# Altium PCB PROC106B.PcbDoc (part 3 of 8) (continued)
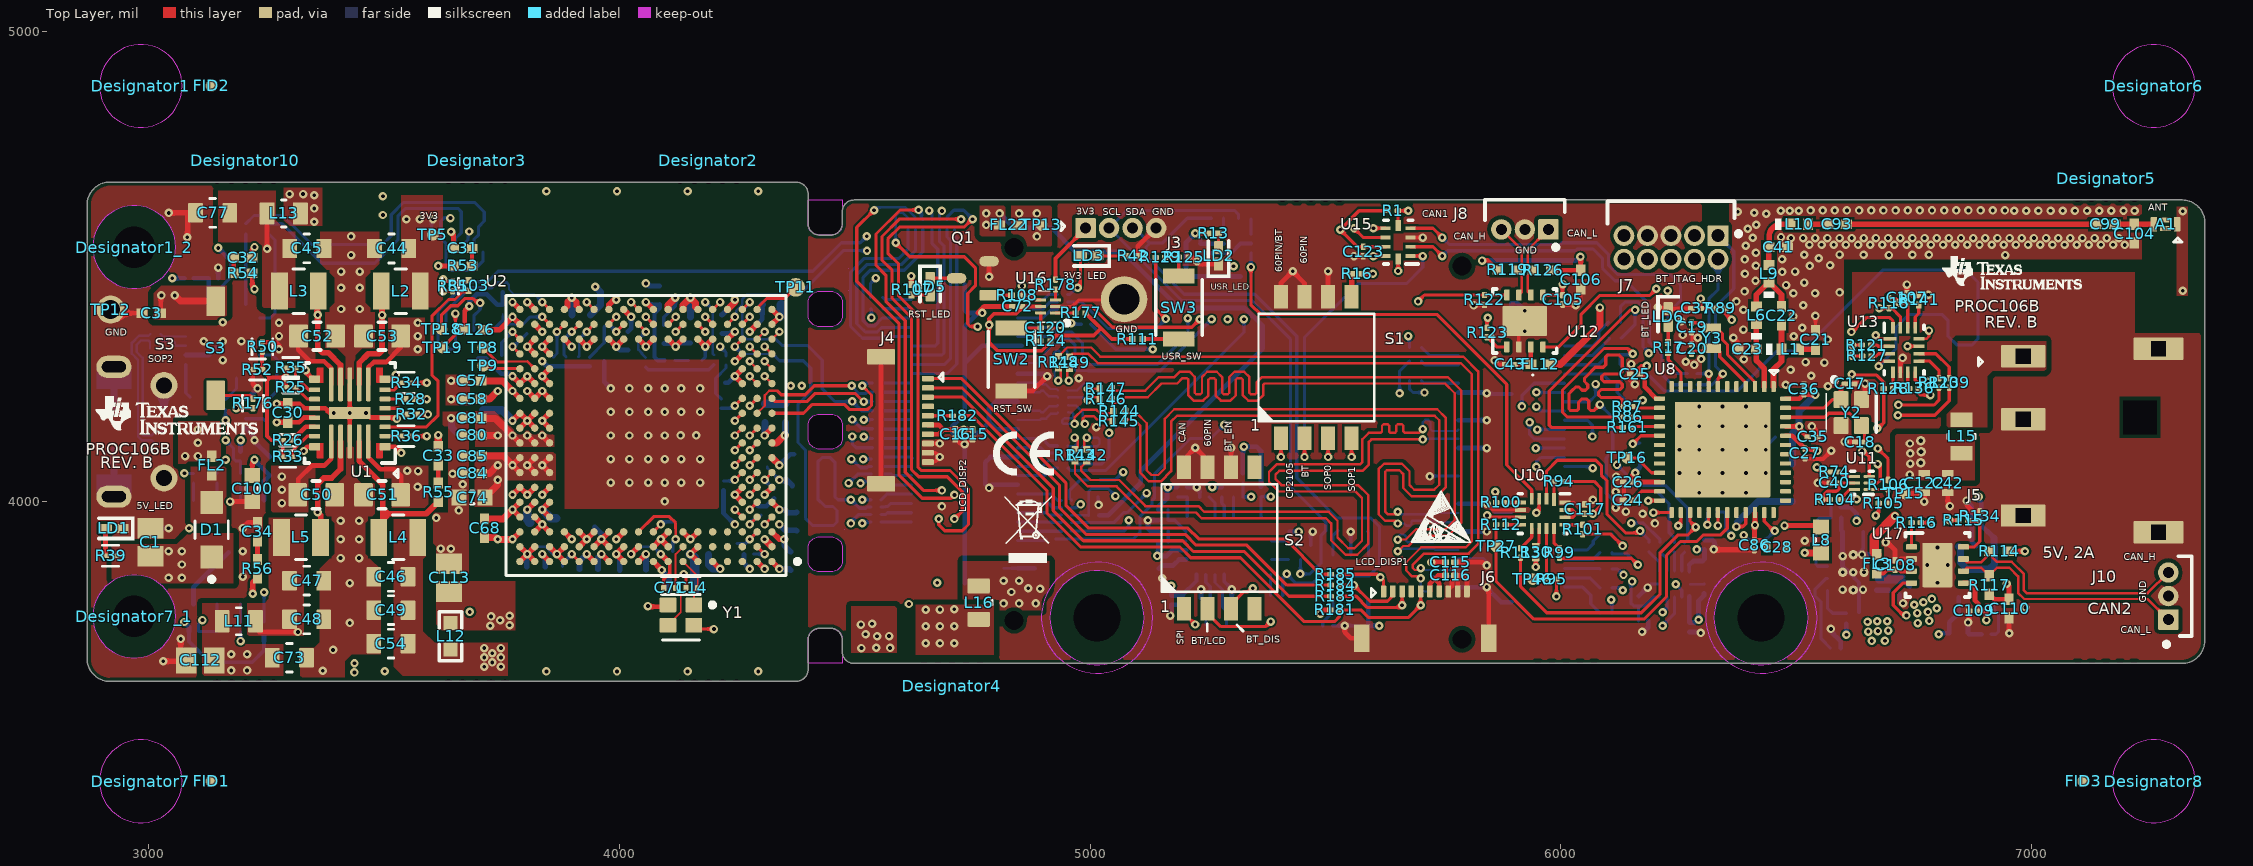
[diagram p0: Top Layer view]
## Nets (pads, with @x,y where several pads share a name; then routed paths per layer and width w, separated by ;. In a path a pad name is that pad's centre, name@x,y a point inside that pad or via, vN(x,y) a via of type N, cw(c..) or ccw(c..) an arc to the next point about the centre after c; other vN are vias at no path point) (continued)
AR_CS1_LCD: R76.2 R106.2 | length 847.6
  Top Layer w6.7: v1(6673.04,4113.48) 6673.04,4113.33 6695.04,4091.34 R106.2@6695.04,4046.53
  Sig1 w5.95: v4(6149.58,3955.16) 6149.58,3967.73 6154.54,3972.7 6154.54,4018.54 6178,4042 6459.94,4042 6475.03,4057.09 6687.59,4057.09 6695.45,4064.95 6695.45,4099.24 6681.21,4113.48 v1(6673.04,4113.48)
  Bottom Layer w6.7: v4@6150.63,3956.21 v4(6149.58,3955.16) 6174.89,3955.16 6210.78,3919.27 R76.2@6210.78,3913.46
AR_CS1_LCD_T: J6.3 R183.1 U14.4 | length 808.1
  Top Layer w6.7: R183.1@5530.62,3799.62 5564.89,3799.62 5589,3775.51 5662.69,3775.51 v1(5662.69,3780.5) J6.3@5662.69,3810.06
  Sig2 w5.95: v1(5662.69,3780.5) 5679.39,3763.8 5708.98,3763.8 5746.07,3800.89 5891.53,3800.89 5933.37,3759.05 6128.25,3759.05 6135,3765.81 v1(6215.84,3765.81)
  Bottom Layer w6.7: v1(6215.84,3765.81) 6225.29,3775.26 U14.4@6225.29,3797.8
AR_DMM_CLK: J11.15 R11.1 U2.U3 | length 2863.5
  Top Layer w6.7: U2.U3@4261.2,4377.35 v1(4276.95,4393.1)
  Sig1 w5.95: v1(4276.95,4393.1) 4300.77,4393.1 4406.49,4498.81 5111.66,4498.81 5144.37,4466.1 5144.37,4336.15 5149.25,4331.27 5149.25,4174.31 5038.48,4063.54 4999.25,4063.54 4959.53,4023.82 4959.53,3983.93 4968.69,3974.76 5068.35,3974.76 v1(5082.11,3961) 5110.48,3989.37 5240.5,3989.37 5328.59,4077.46 5572.06,4077.46 5690.34,4195.73 5910.11,4195.73 v1(5917.11,4202.74)
  Bottom Layer w6.7: R11.1@4960.02,3937.94 5071.27,3937.94 5082.11,3948.78 v1(5082.11,3961) ; v1(5917.11,4202.74) 5917.11,4225.75 5943.5,4252.14 J11.15@6007.91,4252.14
AR_DMM_SYNC: J11.17 R10.1 U2.U4 | length 3035.4
  Top Layer w6.7: U2.U4@4229.71,4377.35 v1(4245.46,4393.1)
  Sig1 w5.95: v1(4526.01,4533.75) 4549.05,4510.71 5162.64,4510.71 5177.31,4496.03 5177.31,4270.93 v1(5284.75,4163.49)
  Sig2 w5.95: v1(5284.75,4163.49) 5296,4174.75 5811.84,4174.75 5843.88,4142.71 5862.4,4142.71 5871.08,4134.03 5990.13,4134.03 6024.74,4168.63 6067.55,4168.63 6099.07,4200.15 6099.07,4221.06 6087.61,4232.53 5948.46,4232.53 v1(5947.91,4233.07)
  Bottom Layer w5: v1(4245.46,4393.1) 4247.94,4395.58 4247.94,4406.09 4261.2,4419.35 4261.2,4430.66 4261.25,4430.71 4261.25,4431.1 4270.45,4440.29 4287.98,4440.29 4382.34,4440.31 4385,4442.97
  Bottom Layer w5.5: J11.17@6007.91,4232.45 J11.17@6008.02,4232.56
  Bottom Layer w6.7: 4385,4442.97 4475.78,4533.75 v1(4526.01,4533.75) ; R10.1@4927.02,3921 5090.97,3921 5106.23,3936.25 5106.23,3969.32 5131.09,3994.18 5131.09,4002.21 5136.5,4007.62 5136.5,4058.65 5212.51,4134.66 5255.92,4134.66 v1(5284.75,4163.49) ; v1@5946.67,4229.5 v1@5947.91,4230.74 ; v1(5947.91,4233.07) v1@5947.91,4230.74 ; J11.17@6007.91,4232.45 5949.62,4232.45 v1@5947.91,4230.74
AR_DP0: J11.19 R88.1 U2.U7 | length 2348.9
  Top Layer w6.7: v1(4119.47,4361.6) U2.U7@4135.22,4377.35
  Sig1 w4.5: 4233.93,4238.41 4252.3,4238.41 4260.24,4230.47 4294.69,4230.47
  Sig1 w5.95: v1(4119.47,4361.6) 4141.45,4339.62 4141.45,4330.89 4233.93,4238.41 ; 4295.71,4229.45 4323.07,4202.09 4342.27,4202.09 4385.89,4158.47 4385.89,4120.26 4409.3,4096.84 4469.39,4096.84 4469.78,4096.45 4494.9,4121.58 v1(4494.9,4138.98)
  Sig2 w5.95: v1(4494.9,4138.98) 4511.03,4155.1 4560.94,4155.1 4605.25,4199.42 5028.67,4199.42 5091.43,4262.18 6061.63,4262.18 v1(6073.52,4250.28)
  Bottom Layer w6.7: v1@4494.9,4134.98 4494.9,4123.11 4503.04,4114.97 R88.1@4537.25,4114.97 ; J11.19@6007.91,4212.77 6060.26,4212.77 6073.52,4226.03 v1(6073.52,4250.28)
AR_DP1: J11.21 R130.1 U2.U6 | length 2360.1
  Top Layer w6.7: U2.U6@4166.72,4377.35 v1(4182.46,4361.6)
  Sig1 w4.5: 4103,4368.42 4111.93,4377.35 4128.99,4377.35 4144.74,4361.6 v1(4182.46,4361.6) ; 4229.91,4225.61 4250.33,4225.61 4255.92,4220.03 4284.86,4220.03 4316.74,4188.14
  Sig1 w5.95: 4103,4368.42 4103,4323.28 4117.2,4309.08 4146.44,4309.08 4229.91,4225.61 ; 4316.74,4188.14 4331.88,4188.14 4370.86,4149.16 4370.86,4118.46 4417.54,4071.79 4417.54,4069.92 4526.78,4069.92 4534.17,4077.3 4534.17,4123.47 v1(4519,4138.63)
  Sig2 w5.95: v1(4519,4138.63) 4564,4138.63 4612.89,4187.52 5033.59,4187.52 5096.35,4250.28 5900.26,4250.28 v1(5947.9,4202.64)
  Bottom Layer w6.7: v1@4519,4134.63 R130.1@4537.25,4134.63 ; v1(5947.9,4202.64) 5957.46,4193.08 J11.21@6007.91,4193.08
AR_DP2: J11.23 R132.1 U2.V5 | length 2435.9
  Top Layer w5.5: v1(4213.96,4424.59) v1@4214.41,4425.04
  Top Layer w6.7: U2.V5@4198.21,4408.84 v1(4213.96,4424.59)
  Sig1 w4.5: 4198.21,4322.56 4198.21,4336.63 4198.21,4337.65 ; 4240.31,4248.86 4256.63,4248.86 4264.57,4240.92 4304.42,4240.92
  Sig1 w5.95: 4198.21,4322.56 4198.21,4290.95 4239.58,4249.58 ; 4198.21,4337.65 4213.96,4353.4 v1(4213.96,4424.59) ; 4305.18,4240.16 4330.57,4214.77 4453.46,4214.77 4488.56,4179.67 4490.32,4179.67 v1(4494.9,4175.09) 4514.89,4155.1 4543.36,4155.1 4655.16,4043.31 4723.42,4043.31 4745.07,4021.66 4745.07,4013.15 4844.29,3913.93 4929.3,3913.93 4940.54,3925.16 5037.22,3925.16 5053.54,3908.85 5107.85,3908.85 5117.16,3918.16 5137.98,3918.16 5158.66,3938.83 5402.06,3938.83 5475.84,4012.61 5826.59,4012.61 5852.07,4038.09 5966.94,4038.09 6066.87,4138.03 v1(6066.87,4138.99)
  Bottom Layer w6.7: v1(4494.9,4175.09) 4514.56,4155.43 R132.1@4537.25,4155.43 ; J11.23@6007.91,4173.4 6056.48,4173.4 6066.87,4163.01 v1(6066.87,4138.99)
AR_DP3: J11.25 R133.1 U2.U5 | length 2407.4
  Top Layer w6.7: v1(4182.46,4393.1) U2.U5@4198.21,4377.35
  Sig1 w4.5: v1(4182.46,4393.1) 4198.21,4408.84 4198.21,4433.25 ; 4228.98,4361.6 4229.71,4360.88 4229.71,4292.08 4238.93,4282.86 4255.66,4282.86 4255.66,4282.75 4261.2,4277.2 4261.2,4259.06 4268.9,4251.36 4318.19,4251.36 ; 4228.98,4431.84 4228.98,4432.86 ; 4229.71,4411.06 4229.71,4433.15
  Sig1 w5.95: 4198.21,4433.25 4206.03,4441.06 4220.78,4441.06 4228.98,4432.86 ; 4228.98,4361.6 4228.98,4411.06 ; 4318.19,4251.36 4342.89,4226.67 4469.05,4226.67 4478.43,4217.29 4478.43,4206.63 4493.49,4191.56 4502.18,4191.56 v1(4519,4174.75) 4540.54,4174.75 4660.08,4055.2 4728.34,4055.2 4756.96,4026.58 4756.96,4018.07 4849.21,3925.82 4924.38,3925.82 4935.61,3937.06 5042.15,3937.06 5058.47,3920.74 5102.48,3920.74 5114.37,3932.63 5135.64,3932.63 5154.16,3951.16 5397.56,3951.16 5472.3,4025.89 5821.67,4025.89 5846.41,4050.63 5951.35,4050.63 5973.44,4072.73 5973.44,4130.25 v1(5949.98,4153.71)
  Bottom Layer w6.7: v1(4519,4174.75) R133.1@4537.25,4174.75 ; v1(5949.98,4153.71) J11.25@6007.91,4153.71
AR_DP4: J11.27 R135.1 U2.V3 | length 2293.3
  Top Layer w6.7: U2.V3@4261.2,4408.84 v1(4276.95,4424.59)
  Sig1 w5.95: v1(4494.9,4213.45) 4496.05,4213.45 4512.18,4229.58 4542.79,4229.58 4607.41,4164.95 4674.82,4164.95 4711.09,4128.67 4711.09,4110.12 4742.23,4078.99 4759.45,4078.99 4801.8,4036.65 4801.8,4006.88 4859.07,3949.61 4914.52,3949.61 4925.76,3960.85 5052,3960.85 5068.32,3944.53 5092.48,3944.53 5106.35,3958.4 5106.35,3967.82 5116,3977.47 5390.24,3977.47 5463.1,4050.33 5574.33,4050.33 5698,4174 5804,4174 5825.87,4152.13 5916.56,4152.13 v1(5933.38,4168.95)
  Bottom Layer w5: v1@4276.95,4419.75 4261.2,4404.01 4261.2,4355.5 4261.2,4355.08 4270.43,4345.85 4316.17,4345.85
  Bottom Layer w6.7: 4316.17,4345.85 4332.22,4345.85 4345.89,4332.18 4399.87,4332.18 4430.97,4301.09 4430.97,4240.33 4457.85,4213.45 v1(4494.9,4213.45) 4514.56,4193.79 R135.1@4537.25,4193.79 ; v1(5933.38,4168.95) 5933.38,4143.54 5942.89,4134.03 J11.27@6007.91,4134.03
AR_DP5: J11.29 R137.1 U2.M1 | length 2321.9
  Top Layer w6.7: U2.M1@4324.2,4219.87 4331.08,4212.98 4398.06,4212.98 4415.2,4230.12 4501.7,4230.12 4518.72,4213.1 v1(4519,4213.1)
  Sig1 w5.95: v1(4519,4213.1) 4665.01,4067.1 4735.13,4067.1 4768.85,4033.38 4768.85,4023 4854.14,3937.72 4919.45,3937.72 4930.69,3948.95 5047.08,3948.95 5063.39,3932.63 5097.55,3932.63 5109.44,3944.53 5130.71,3944.53 5151.36,3965.17 5394.76,3965.17 5467.37,4037.79 5790.28,4037.79 5815.02,4062.53 5918.43,4062.53 5924.37,4068.47 5924.37,4085.74 5917.05,4093.05 5752.9,4093.05 5748.41,4097.55 5748.41,4127.01 5756.06,4134.66 5926.35,4134.66 v1(5946.67,4114.34)
  Bottom Layer w6.7: v1(4519,4213.1) R137.1@4537.25,4213.11 ; v1(5946.67,4114.34) J11.29@6007.91,4114.34
AR_DP6: J11.31 R138.1 U2.L2 | length 2306.4
  Top Layer w5: U2.L2@4292.7,4188.37 4308.82,4204.49 4308.82,4226.24 4318.58,4235.99 4335.56,4235.99
  Top Layer w6.7: 4335.56,4235.99 4343.78,4227.77 4395.1,4227.77 4414.05,4246.72 v1(4493.52,4246.72)
  Sig2 w5.95: v1(4493.52,4246.72) 4493.52,4245.92 4509.2,4230.24 4532.49,4230.24 4547.64,4215.1 4804.22,4215.1 4873.11,4283.98 6066.82,4283.98 6110.96,4239.84 6110.96,4195.22 6072.48,4156.74 6053.82,4156.74 5972.05,4074.97 v1(5947.9,4074.97)
  Bottom Layer w6.7: v1(4493.52,4246.72) 4499.42,4240.82 4499.42,4239.84 4509.14,4230.12 4522.89,4230.12 4525.86,4233.08 R138.1@4537.25,4233.08 ; v1(5947.9,4074.97) 5947.9,4085.2 5957.35,4094.66 J11.31@6007.91,4094.66
AR_DP7: J11.33 R140.1 U2.L1 | length 2468.5
  Top Layer w6.7: U2.L1@4324.2,4188.37 4391.19,4188.37 4410.11,4207.29 4477.59,4207.29 4488.37,4196.51 4525.88,4196.51 4526.22,4196.85 4527.5,4196.85 4535.6,4204.95 4535.6,4227.14 v1(4516.02,4246.72)
  Sig2 w5.95: v1(4516.02,4246.72) 4560.49,4246.72 4567.71,4239.49 4811.79,4239.49 4868.42,4296.12 4900.64,4296.12 4903.83,4296.12 4908.62,4300.9 4908.62,4320.84 4913.4,4325.63 4919.78,4325.63 4924.56,4320.84 4924.56,4300.9 4929.35,4296.12 4935.73,4296.12 4940.51,4300.9 4940.51,4320.84 4945.3,4325.63 4951.67,4325.63 4956.46,4320.84 4956.46,4300.9 4961.24,4296.12 4967.62,4296.12 4972.41,4300.9 4972.41,4320.84 4977.19,4325.63 4983.57,4325.63 4988.35,4320.84 4988.35,4300.9 4993.14,4296.12 4999.52,4296.12 5004.3,4300.9 5004.3,4320.84 5009.08,4325.63 5015.46,4325.63 5020.25,4320.84 5020.25,4300.9 5025.03,4296.12 5031.41,4296.12 5036.19,4300.9 5036.19,4320.84 5040.98,4325.63 5047.36,4325.63 5052.14,4320.84 5052.14,4300.9 5056.92,4296.12 5063.88,4296.12 5831.7,4296.12 5852.35,4316.78 6051.34,4316.78 6122.86,4245.26 6122.86,4171.34 6067.59,4116.07 v1(6067.59,4071.83)
  Bottom Layer w5.95: J11.33@6007.91,4074.97 6064.44,4074.97 v1(6067.59,4071.83)
  Bottom Layer w6.7: v1(4516.02,4246.72) 4521.7,4252.4 R140.1@4537.25,4252.4
AR_GPIO_0: R66.1 RA5.8 U2.M2 | length 845.3
  Top Layer w6.7: v1(4276.95,4204.12) U2.M2@4292.7,4219.87
  Sig2 w5.95: v1(4276.95,4204.12) 4289.65,4191.42 4382.46,4191.42 4404.38,4213.33 4420.02,4213.33 4481.77,4275.08 4813.25,4275.08 4890.17,4352 4935.38,4352 4960.02,4376.64 v1(4960.02,4379.79)
  Bottom Layer w6.7: RA5.8@4952.34,4409.09 4952.34,4387.48 v1(4960.02,4379.79) 4962.26,4377.56 R66.1@4981.41,4377.56
AR_GPIO_1: R129.2 RA5.7 U2.L3 | length 1403.2
  Top Layer w6.7: v1(4245.46,4172.62) U2.L3@4261.2,4188.37 ; R129.2@5139.25,4519.45 5139.25,4410.27 v1(5160.84,4388.68)
  Sig2 w5.95: v1(4245.46,4172.62) 4380.49,4172.62 4409.3,4201.44 4424.95,4201.44 4486.7,4263.19 4818.67,4263.19 4893,4337.52 5109.69,4337.52 v1(5160.84,4388.68)
  Bottom Layer w6.7: RA5.7@4952.34,4424.84 4981.57,4424.84 5038,4368.41 5140.57,4368.41 v1@5158.08,4385.91
AR_GPIO_2: LD3.1 R115.1 RA5.6 U2.K3 | length 3948.2
  Top Layer w5.95: v1(6824.78,3961) R115.1@6844.78,3961
  Top Layer w6.7: v1(4245.46,4141.13) U2.K3@4261.2,4156.88 ; v1(4973.31,4455.06) 4979.31,4461.06 LD3.1@4979.31,4522.72
  Sig1 w5.95: v1(6226.68,4448.37) 6226.68,4360.49 6248.96,4338.21 6248.96,4253.51 6282.15,4220.31 6405.72,4220.31 6415.7,4210.33 6557.1,4210.33 6583.65,4236.89 6583.65,4276.96 6592.99,4286.29 6592.99,4369.07 6610.19,4386.28 6731.49,4386.28 6804.35,4313.42 6804.35,4076.19 6752.78,4024.62 6752.78,3956.54 6772.44,3936.88 6800.66,3936.88 v1(6824.78,3961)
  Sig2 w5.95: v1(4245.46,4141.13) 4243.4,4143.19 4227.54,4143.19 4212.53,4158.19 4212.53,4209.79 4223.33,4220.59 4394.81,4220.59 4406.98,4232.76 4422.62,4232.76 4476.84,4286.98 4808.33,4286.98 v1@4973.31,4451.96 ; v1(4973.31,4455.06) v1@4973.31,4451.96 ; v1(6226.68,4448.37) 6210.25,4431.94 6142.57,4431.94 6095.77,4478.74 5969.43,4478.74 5941.06,4450.38 5688.19,4450.38 5580.17,4342.36 5231.36,4342.36 5168.57,4405.15 5154.02,4405.15 5108.26,4359.39 5042.72,4359.39 4973.31,4428.79 v1@4973.31,4451.96
  Bottom Layer w6.7: RA5.6@4952.34,4440.59 4956.6,4440.59 v1@4972.18,4456.16
AR_HOSTINTR1: R3.1 R152.1 RA9.6 U2.B2 | length 2217.7
  Top Layer w6.7: U2.B2@4292.7,3904.91 v1(4308.45,3889.16)
  Sig1 w5.95: v1(4979.69,3994.63) 4979.69,3995.65 5022.55,4038.5 5078.71,4038.5 5118.81,4078.61 5228.77,4078.61 5315.76,4165.59 5315.76,4208.37 5189.21,4334.92 5189.21,4422.01 5289.86,4522.66 5497.63,4522.66 5667.88,4352.4 v1(5675.9,4352.4)
  Sig2 w5.95: v1(4308.45,3889.16) 4349.35,3889.16 4361.01,3877.5 4361.01,3850.85 4399.45,3812.41 4514.33,3812.41 4608.5,3906.58 4731.17,3906.58 4841.6,4017 4957.32,4017 v1(4979.69,3994.63)
  Bottom Layer w6.7: R3.1@4284.8,3889.16 v1(4308.45,3889.16) ; RA9.6@4960.68,3987.64 4969.78,3987.64 v1@4976.78,3994.63 ; v1(5675.9,4352.4) 5678.13,4350.18 R152.1@5678.13,4328.4
AR_LVDS_0_N: R149.1 RA6.7 U2.N1 | length 1347.9
  Top Layer w5.1: v1(4308.45,4267.11) U2.N1@4324.2,4251.36 ; v1@4955.46,4257.89 4951.31,4262.04 4951.31,4278.22 R149.1@4956.17,4283.07
  Sig1 w4.8: v1@4303.79,4271.41 4308.48,4266.72 4432.79,4266.72 4436.88,4262.64 4532.51,4262.64 4544.03,4251.11 4559.6,4251.11 4623.96,4186.74 4740.39,4186.74 4757.03,4170.1 4757.03,4122.55 4776.08,4103.49 4802.02,4103.49 4815.37,4116.84 4815.37,4160 4825.18,4169.81 4836.75,4169.81 4850.89,4155.66 4850.89,3980.23 4868.9,3962.22 4898.8,3962.22 4915.42,3978.85 4915.42,4207.44 4922.38,4214.4 4934.84,4214.4 4952.31,4231.87 4952.31,4254.74 v1@4955.46,4257.89
  Bottom Layer w5.1: RA6.7@4952.34,4292.08 4951.31,4291.06 4951.31,4262.04 v1@4955.46,4257.89
  other v1: 4954.45,4257.89
AR_LVDS_0_P: R148.1 RA6.8 U2.N2 | length 1378.2
  Top Layer w5.1: v1(4276.95,4267.11) U2.N2@4292.7,4251.36 ; R148.1@4932.76,4283.82 4937.61,4278.97 4937.61,4262.04 v1@4933.46,4257.89
  Sig1 w4.5: v1(4276.95,4267.11) 4276.95,4268.49 4291.33,4282.86 4314.97,4282.86 4315.02,4282.81 4329.69,4282.81 ; 4928.28,4230.4 4936.46,4238.59 4936.46,4254.89 v1@4933.46,4257.89
  Sig1 w4.8: 4315.11,4282.72 4443.56,4282.72 4447.64,4278.64 4539.13,4278.64 4550.66,4267.11 4566.22,4267.11 4630.59,4202.74 4747.02,4202.74 4773.03,4176.73 4773.03,4129.17 4782.71,4119.49 4795.39,4119.49 4799.37,4123.47 4799.37,4166.62 4813.87,4181.12 4818.56,4185.81 4843.37,4185.81 4866.89,4162.29 4866.89,3986.86 4875.53,3978.22 4892.17,3978.22 4899.42,3985.47 4899.42,4214.07 4915.75,4230.4 4928.28,4230.4
  Bottom Layer w5.1: v1@4933.46,4257.89 4924.29,4267.07 4924.29,4276.21 4929.55,4281.47 4933.77,4281.47 4936.59,4284.29 RA6.8@4936.59,4292.08
  other v1: 4932.45,4257.89
AR_LVDS_1_N: R147.1 RA7.5 U2.P1 | length 1514.7
  Top Layer w5.1: v1(4308.45,4298.61) U2.P1@4324.2,4282.86 ; v1@4996.38,4240.79 R147.1@5020,4240.79
  Sig1 w4.5: v1@4314.97,4298.61 4349.94,4298.61 ; v1@4315,4298.63 4461.96,4298.63
  Sig1 w4.8: 4349.94,4298.61 4462.36,4298.61 4474.02,4310.27 4585.93,4310.27 4594.45,4318.79 4713.9,4318.79 4723.1,4309.59 4723.1,4299.06 4718.12,4294.08 4625.17,4294.08 4609.92,4278.83 4609.92,4253.99 4639.23,4224.67 4762.1,4224.67 4775.28,4237.85 4775.28,4251.38 4783.96,4260.05 4801.76,4260.05 4810.09,4251.73 4810.09,4225.13 4825.25,4209.97 4864.39,4209.97 4883.45,4229.03 4883.45,4276.27 4904.75,4297.57 4989.83,4297.57 5016.62,4270.79 5016.62,4250.37 5014.7,4248.45 5008.13,4248.45 5005.1,4251.48 5005.1,4269.16 5002.59,4271.67 4996.91,4271.67 4994.13,4268.9 4994.13,4258.43 4980.76,4245.35 4980.76,4237.78 4985.99,4232.54 4992.41,4232.54 4995.28,4235.41 v1(4995.28,4239.89)
  Bottom Layer w5.1: RA7.5@4952.83,4236.76 4972.37,4236.76 4988.26,4252.65 4998.09,4252.65 5000.59,4250.16 5000.59,4245.19 v1(4995.28,4239.89)
AR_LVDS_1_P: R146.1 RA7.6 U2.P2 | length 1377.6
  Top Layer w5.1: v1(4276.95,4298.61) U2.P2@4292.7,4282.86 ; v1(4995.28,4215.89) 5001.84,4222.44 5015.35,4222.44 R146.1@5020,4217.79
  Sig1 w4.5: v1(4276.95,4298.61) 4292.7,4314.36 4314.97,4314.36 ; 4315,4314.33 4455.46,4314.33
  Sig1 w4.8: 4455.46,4314.33 4467.4,4326.27 4579.3,4326.27 4587.82,4334.79 4596.74,4334.79 4720.53,4334.79 4739.1,4316.22 4739.1,4292.43 4724.75,4278.08 4631.8,4278.08 4625.92,4272.2 4625.92,4260.61 4645.86,4240.67 4755.47,4240.67 4759.28,4244.48 4759.28,4258 4777.33,4276.05 4808.39,4276.05 4826.09,4258.35 4826.09,4231.76 4831.88,4225.97 4857.76,4225.97 4867.45,4235.66 4867.45,4282.9 4898.12,4313.57 4996.46,4313.57 5032.62,4277.41 5032.62,4236.67 5016.84,4220.89 5000.28,4220.89 v1(4995.28,4215.89)
  Bottom Layer w5.1: RA7.6@4953.34,4221.53 4953.86,4222.04 4984.13,4222.04 4990.28,4215.89 v1(4995.28,4215.89)
AR_LVDS_CLK_N: R145.1 RA7.7 U2.R2 | length 1444.6
  Top Layer w5.1: v1(4276.95,4330.1) U2.R2@4292.7,4314.36 ; v1(4988.85,4165.65) 4984.7,4169.8 4984.7,4177.53 4989.02,4181.85 5007.99,4181.85 5014.75,4175.09 5043.82,4175.09 R145.1@5047.69,4171.22
  Sig1 w4.5: v1(4276.95,4330.1) 4292.7,4345.85 4346.47,4345.85 4346.57,4345.95 4431.27,4345.95 4431.74,4346.42
  Sig1 w4.8: 4431.74,4346.42 4443.39,4358.07 4566.13,4358.07 4568.59,4360.53 4568.59,4394.28 4589.88,4415.56 4614.56,4415.56 4628.27,4401.85 4628.27,4379.9 4632.61,4375.56 4644.03,4375.56 4648.37,4379.9 4648.37,4401.85 4662.08,4415.56 4686.76,4415.56 4700.47,4401.85 4700.47,4379.9 4704.81,4375.56 4733.99,4375.56 4784.96,4324.59 4801.1,4324.59 4806.33,4329.83 4806.33,4382.57 4820.04,4396.28 4844.72,4396.28 4858.43,4382.57 4858.43,4360.8 4862.77,4356.46 5007.03,4356.46 5070.47,4293.03 5070.47,4195.36 5053.39,4178.29 4989.05,4178.29 4985.85,4175.09 4985.85,4168.65 v1(4988.85,4165.65)
  Bottom Layer w5.1: RA7.7@4953.34,4205.78 4954.37,4204.75 4970.09,4204.75 4984.7,4190.14 4984.7,4169.8 v1(4988.85,4165.65)
AR_LVDS_CLK_P: R144.1 RA7.8 U2.R1 | length 1469.1
  Top Layer w5.1: v1(4308.45,4330.1) U2.R1@4324.2,4314.36 ; v1(4966.85,4165.65) 4966.85,4179.06 4983.34,4195.55 5013.67,4195.55 5020.43,4188.79 5044.92,4188.79 R144.1@5048.79,4192.66
  Sig1 w4.8: v1(4308.45,4330.1) 4438.05,4330.1 4450.02,4342.07 4572.76,4342.07 4584.59,4353.9 4584.59,4387.65 4596.51,4399.56 4607.93,4399.56 4612.27,4395.23 4612.27,4373.28 4625.98,4359.56 4650.66,4359.56 4664.37,4373.28 4664.37,4395.23 4668.71,4399.56 4680.13,4399.56 4684.47,4395.23 4684.47,4373.28 4698.18,4359.56 4727.36,4359.56 4778.34,4308.59 4807.72,4308.59 4822.33,4323.2 4822.33,4343.44 4822.33,4354.17 4822.33,4375.94 4826.67,4380.28 4838.09,4380.28 4842.43,4375.94 4842.43,4354.17 4856.14,4340.46 5000.41,4340.46 5054.47,4286.4 5054.47,4201.99 5046.76,4194.29 4950.32,4194.29 4942.74,4186.71 4942.74,4170.03 4947.13,4165.65 v1(4966.85,4165.65)
  Bottom Layer w5.1: RA7.8@4954.37,4191.05 RA7.8@4953.34,4190.03 4961.5,4190.03 4964.41,4187.12 4964.41,4180.64 4961.93,4178.16 4945.93,4178.16 4940.41,4172.64 4940.41,4168.9 4943.66,4165.65 v1(4966.85,4165.65)
AR_LVDS_FRCLK_N: R143.1 RA8.5 U2.T2 | length 1399.8
  Top Layer w5.1: U2.T2@4292.7,4345.85 v1(4308.45,4361.6) ; v1(4966.85,4136.73) 4973.39,4130.19 4973.39,4117.17 R143.1@4967.77,4111.55
  Sig1 w4.5: 4324.2,4377.35 4351.72,4377.35
  Sig1 w4.8: v1(4308.45,4361.6) 4324.2,4377.35 ; 4351.72,4377.35 4369.12,4394.74 4369.12,4443.73 4409.95,4484.56 4491.96,4484.56 4518.26,4458.25 4824.18,4458.25 4848.55,4433.88 4983.07,4433.88 5109.57,4307.38 5109.57,4159.2 5038.01,4087.64 4991.11,4087.64 4971.7,4107.05 4971.7,4131.88 v1(4966.85,4136.73)
  Bottom Layer w5.1: RA8.5@4952.69,4119.49 4953.71,4118.47 4966.52,4118.47 4973,4124.95 4973,4130.58 v1(4966.85,4136.73)
AR_LVDS_FRCLK_P: R142.1 RA8.6 U2.T1 | length 1400.6
  Top Layer w5.1: U2.T1@4324.2,4345.85 v1(4339.94,4361.6) ; R142.1@4992.71,4111.55 4987.09,4117.17 4987.09,4130.97 v1(4992.85,4136.73)
  Sig1 w4.5: 4990.31,4111.06 4990.31,4118.68 4992.11,4120.47 5012.98,4120.47 5017.87,4125.35 5017.87,4133.27 5014.4,4136.73 v1(4992.85,4136.73)
  Sig1 w4.8: v1(4339.94,4361.6) 4358.6,4361.6 4385.12,4388.12 4385.12,4437.1 4416.57,4468.56 4485.33,4468.56 4511.64,4442.25 4817.55,4442.25 4841.92,4417.88 4976.45,4417.88 5038.46,4355.86 5093.66,4300.66 5093.66,4165.91 5031.38,4103.64 4997.74,4103.64 4990.31,4111.06
  Bottom Layer w5.1: RA8.6@4952.69,4103.74 4953.71,4104.77 4972.19,4104.77 4986.07,4118.64 5014.98,4118.64 5019.81,4123.47 5019.81,4132.27 5015.35,4136.73 v1(4992.85,4136.73)
AR_MCUCLKOUT: RA1.2 U2.V13 | length 912.6
  Top Layer w6.7: v1(3930.5,4424.59) U2.V13@3946.24,4408.84
  Sig2 w5.95: v1(3930.5,4424.59) 3928.19,4426.9 3928.19,4480.17 3985.52,4537.5 4468.02,4537.5 4518.57,4588.05 4655.12,4588.05 v1(4685.21,4618.14)
  Bottom Layer w6.7: RA1.2@4680.21,4600.58 4680.21,4613.14 v1(4685.21,4618.14)
AR_MISO1: R121.2 U2.D1 | length 3284.5
  Top Layer w6.7: v1(4308.45,3952.15) U2.D1@4324.2,3967.9 ; v1@6621.04,4333.23 R121.2@6639.03,4333.23
  Sig2 w4.5: v1(4308.45,3952.15) 4324.2,3936.4 4354.1,3936.4 4354.83,3937.13
  Sig2 w5.95: 4354.83,3937.13 4361.44,3937.13 4372.91,3925.66 4372.91,3855.77 4404.38,3824.3 4509.4,3824.3 4603.57,3918.47 4726.25,3918.47 4836.67,4028.89 4979.54,4028.89 4996.01,4012.42 4996.01,3972.76 5043.76,3925.01 5156.99,3925.01 5200.46,3881.53 5200.46,3729.32 5213.74,3716.04 5717.64,3716.04 5766.81,3765.21 5867.81,3765.21 5925.35,3707.67 6230.52,3707.67 6249.35,3726.5 6249.35,3783.85 6353.24,3887.74 6389.62,3887.74 6411.96,3910.08 6475.27,3910.08 6515.07,3949.88 6515.07,4102.64 6544.36,4131.93 6564.41,4131.93 6595.55,4163.07 6595.55,4311.03 6617.52,4333 v1(6618.45,4333)
AR_MOSI1: R128.2 U2.F2 | length 3442.7
  Top Layer w6.7: v1(4276.95,4015.14) U2.F2@4292.7,4030.89 ; v1(6617.81,4271) 6619.56,4269.25 6670.56,4269.25 6685.71,4254.1 R128.2@6685.71,4240.71 6685.71,4167.71 6674.74,4156.74 v1(6671.76,4156.74)
  Sig1 w4.5: 4298.2,4030.13 4298.96,4030.89 4315.78,4030.89
  Sig1 w5.5: v1(4276.95,4015.14) 4281.75,4019.94 4288.01,4019.94 4298.2,4030.13
  Sig1 w5.95: 4315.78,4030.89 4316.36,4030.32 4316.57,4030.32 ; 4316,4030.89 4316.57,4030.32 ; v1(6671.76,4156.74) 6707.37,4156.74 6713.44,4150.66 6713.44,4056.18 6695.34,4038.07 6650.14,4038.07 6645.51,4033.44 6645.51,4022.15 6658.05,4009.61 6658.05,4000.78 6645.8,3988.53 6265.17,3988.53 6230.16,3953.52 6230.16,3834.57 6224.41,3828.82 6224.41,3801.5 6161.2,3738.29 5837.07,3738.29 5802.08,3773.28 5802.08,3848.99 5726.34,3924.73 5706.97,3924.73 5659.85,3877.61 5564.53,3877.61 5407.56,3720.64 5169.06,3720.64 5140.34,3749.37 5140.34,3803.39 5082.45,3861.27 5033.83,3861.27 5017.76,3877.34 4960,3877.34 4945.78,3863.12 4647.49,3863.12 4616.86,3832.48 4590.58,3832.48 4482.26,3940.8 4447.59,3940.8 4447.59,3941.6 4366.75,4022.44 4324.45,4022.44 4316.57,4030.32
AR_MSS_LOGGER: R58.1 R61.1 R131.1 U2.E2 | length 4027.5
  Top Layer w6.7: v1(4276.95,3983.65) U2.E2@4292.7,3999.4
  Sig1 w4.5: 4230.89,3967.9 4263.85,3967.9 v1@4276.95,3981.01
  Sig1 w5.95: v1(3163.55,4173.41) 3244.94,4173.41 3265.5,4152.85 3526.01,4152.85 3694.1,3984.76 3694.1,3905.76 3784.97,3814.9 4136.48,3814.9 4202.76,3881.17 4202.76,3939.76 4230.89,3967.9 ; v1@4276.95,3981.01 v1(4276.95,3983.65)
  Sig2 w4.5: 4332.4,3967.9 4347.49,3967.9 4351.37,3964.02
  Sig2 w5.95: v1(4276.95,3983.65) 4300.25,3983.65 4316,3967.9 4332.4,3967.9 ; 4351.37,3964.02 4384.8,3930.59 4384.8,3860.7 4409.3,3836.2 4504.48,3836.2 4598.64,3930.36 4721.32,3930.36 4831.75,4040.79 5024.98,4040.79 5036.27,4029.5 ; v1(5070.29,4063.51) 5036.27,4029.5 ; v1(6361.81,3928) 6191.21,3928 6185.35,3922.14 6155.37,3922.14 6142.32,3935.19 6057.76,3935.19 5976.45,4016.5 5921.24,4016.5 5899.64,4038.09 5848.9,4038.09 5836.7,4025.89 5709.49,4025.89 5682.87,4052.51 5126.86,4052.51 5070.48,3996.13 5046.92,3996.13 5036.27,4006.77 5036.27,4029.5
  Bottom Layer w6.7: v1(3163.55,4173.41) R61.1@3163.55,4195.73 ; R131.1@6331.18,3978.41 6346.63,3978.41 6350.14,3974.9 6350.14,3942.93 6361.81,3931.25 v1(6361.81,3928)
  Bottom Layer w7: R58.1@5021.79,4046.94 5053.71,4046.94 v1(5070.29,4063.51)
AR_NERR_OUT: R21.1 RA6.5 U2.U15 | length 1993.9
  Top Layer w6.7: v1(3867.5,4361.6) U2.U15@3883.25,4377.35
  Sig2 w5.95: v1(3867.5,4361.6) 3867.5,4299.23 3887.45,4279.28 4174.81,4279.28 4221.6,4232.49 4315.95,4232.49 4357.63,4274.16 4447.2,4274.16 4471.92,4298.87 4770.04,4298.87 4946.76,4475.6 4977.21,4475.6 4995.86,4456.94 4995.86,4423.5 5012.97,4406.38 5012.97,4405.96 5047.64,4371.29 5101.75,4371.29 5152.98,4422.52 5177.86,4422.52 5202.97,4397.42 5202.97,4394.51 v1(5207.55,4389.93)
  Bottom Layer w5.95: R21.1@3859.46,4307.45 3867.5,4315.49 v1(3867.5,4361.6)
  Bottom Layer w6.7: RA6.5@4983.83,4292.08 5143.25,4292.08 5207.55,4356.38 v1(5207.55,4389.93)
AR_NERRIN: R22.1 RA6.6 U2.U14 | length 2037.8
  Top Layer w6.7: v1(3899,4361.6) U2.U14@3914.75,4377.35
  Sig2 w5.95: v1(3899,4361.6) 3882.53,4345.13 3882.53,4307.96 3898.41,4292.07 4178.83,4292.07 4226.53,4244.38 4308.8,4244.38 4351.48,4287.06 4443.29,4287.06 4466.99,4310.77 4763.99,4310.77 4942.88,4489.66 5131.64,4489.66 5216.95,4404.35 5239.74,4404.35 5256.22,4387.88 v1(5258,4387.88)
  Bottom Layer w5: RA6.6@4968.09,4292.08 4968.09,4281.08 4970.49,4278.67 4995.62,4278.67
  Bottom Layer w5.95: R22.1@3886.6,4307.94 R22.1@3886.73,4307.81
  Bottom Layer w6.7: R22.1@3886.73,4308.06 3882.45,4312.34 3882.45,4345.05 v1(3899,4361.6) ; 4995.62,4278.67 5148.79,4278.67 v1(5258,4387.88)